# Altium PCB NxtPX4.PcbDoc (part 6 of 6)
Units mm, origin at the board's own origin, x right, y up, seen from the top; angles counter-clockwise.
Board outline 33 x 27 mm, 4 copper layers (F.Cu, In1.Cu, In2.Cu, B.Cu); 137 components, 132 nets, 629 pads, 296 vias.
Unrouted connection lines stored in the file: 3.
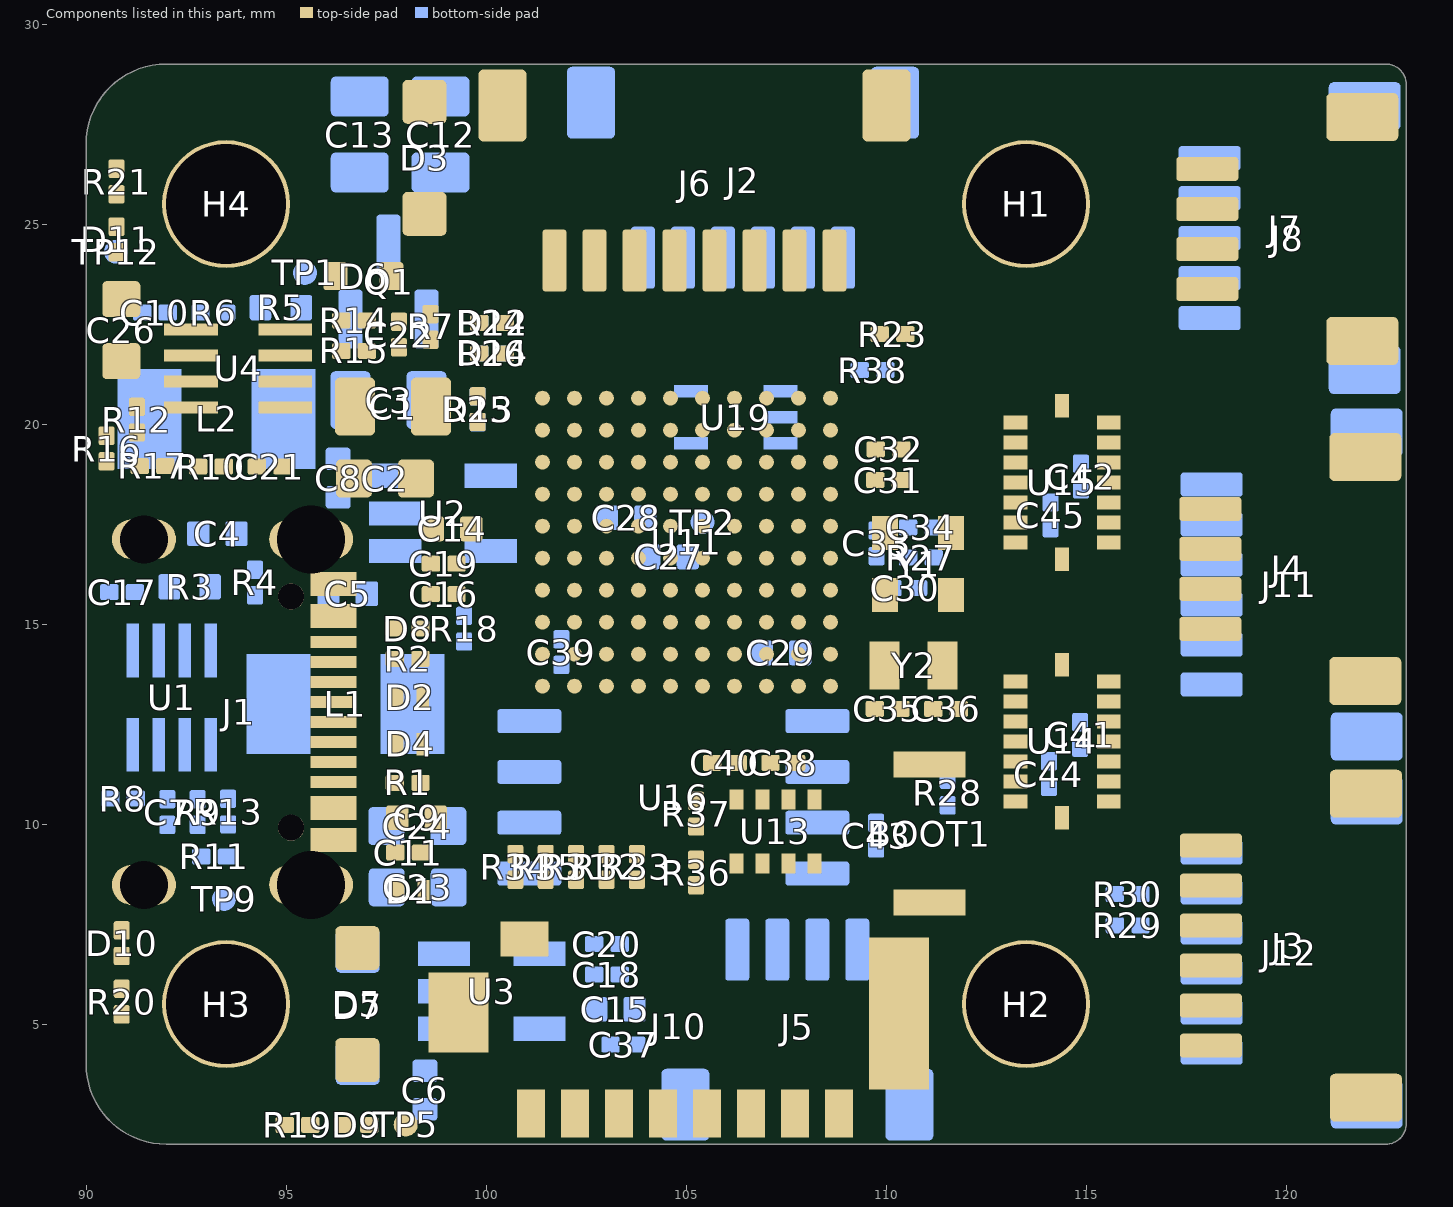
[diagram p8: the components of this part, seen from the top]

## Polygon pours and split planes (outlines as drawn) (continued)
EX_I2C4_SCL on B.Cu "B.Cu-/EX_I2C4_SCL-1" (solid, remove dead copper, pour order 30550): 101.569,20.572 101.548,20.599 101.54,20.622 101.538,20.646 101.536,20.673 101.525,20.708 101.409,20.661 101.362,20.545 101.397,20.534 101.424,20.532 101.448,20.53 101.471,20.522 101.498,20.501
TIM3_CH3 on B.Cu "B.Cu-/TIM3_CH3-1" (solid, remove dead copper, pour order 30512): 116.698,24.619 116.671,24.598 116.648,24.59 116.624,24.588 116.597,24.586 116.562,24.575 116.609,24.459 116.725,24.412 116.736,24.447 116.738,24.474 116.74,24.498 116.748,24.521 116.769,24.548
SDMMC1_D0 on B.Cu "B.Cu-/SDMMC1_D0" (solid, remove dead copper, pour order 30490): 100.06,15.395 100.064,15.429 100.075,15.452 100.091,15.469 100.108,15.49 100.126,15.522 100.01,15.571 99.895,15.522 99.912,15.49 99.93,15.469 99.945,15.452 99.956,15.429 99.96,15.395
USART3_RX on B.Cu "B.Cu-/USART3_RX-1" (solid, remove dead copper, pour order 30305): 106.97,23.275 107.011,23.324 107.052,23.364 107.094,23.397 107.135,23.422 107.176,23.439 106.92,24.171 106.664,23.439 106.705,23.422 106.746,23.397 106.788,23.364 106.829,23.324 106.87,23.275
EX_SPI3_MISO on B.Cu "B.Cu-/EX_SPI3_MISO-1" (solid, remove dead copper, pour order 30281): 117.245,5.25 117.278,5.225 117.311,5.191 117.343,5.15 117.376,5.101 117.409,5.044 118.141,5.3 117.409,5.556 117.376,5.499 117.343,5.45 117.311,5.409 117.278,5.375 117.245,5.35
UART5_RX on B.Cu "B.Cu-/UART5_RX" (solid, remove dead copper, pour order 30482): 103.06,20.485 103.064,20.519 103.075,20.542 103.091,20.559 103.108,20.58 103.125,20.612 103.01,20.661 102.895,20.612 102.912,20.58 102.929,20.559 102.945,20.542 102.956,20.519 102.96,20.485
USART3_TX on B.Cu "B.Cu-/USART3_TX" (solid, remove dead copper, pour order 30302): 105.97,23.275 106.011,23.324 106.052,23.364 106.094,23.397 106.135,23.422 106.176,23.439 105.92,24.171 105.664,23.439 105.705,23.422 105.746,23.397 105.788,23.364 105.829,23.324 105.87,23.275
TIM3_CH3 on B.Cu "B.Cu-/TIM3_CH3" (solid, remove dead copper, pour order 30287): 117.195,24.61 117.228,24.585 117.261,24.551 117.293,24.51 117.326,24.461 117.359,24.404 118.091,24.66 117.359,24.916 117.326,24.859 117.293,24.81 117.261,24.769 117.228,24.735 117.195,24.71
UART4_RX on B.Cu "B.Cu-/UART4_RX" (solid, remove dead copper, pour order 30308): 106.24,7.765 106.197,7.716 106.154,7.675 106.11,7.642 106.067,7.618 106.024,7.601 106.28,6.869 106.536,7.601 106.497,7.619 106.458,7.644 106.418,7.676 106.379,7.717 106.34,7.765
Periph_3V3 on B.Cu "B.Cu-Periph_3V3-3" (solid, remove dead copper, pour order 30275): 109.2,10.19 109.167,10.2 109.134,10.217 109.102,10.239 109.069,10.267 109.036,10.301 108.279,10.045 108.987,9.756 109.03,9.798 109.072,9.832 109.115,9.859 109.157,9.878 109.2,9.89
SCLK on B.Cu "B.Cu-/SCLK-3" (solid, remove dead copper, pour order 30296): 119.035,14.55 119.002,14.575 118.969,14.609 118.937,14.65 118.904,14.699 118.871,14.756 118.139,14.5 118.871,14.244 118.904,14.301 118.937,14.35 118.969,14.391 119.002,14.425 119.035,14.45
SBUS on B.Cu "B.Cu-/SBUS-2" (solid, remove dead copper, pour order 30484): 110.53,22.075 110.534,22.109 110.545,22.132 110.561,22.149 110.578,22.17 110.595,22.202 110.48,22.251 110.365,22.202 110.382,22.17 110.399,22.149 110.415,22.132 110.426,22.109 110.43,22.075
AUX3_PA4 on B.Cu "B.Cu-/AUX3_PA4" (solid, remove dead copper, pour order 30328): 118.09,9.72 118.04,9.679 117.99,9.647 117.94,9.623 117.89,9.607 117.84,9.6 118.14,9.299 118.44,9.6 118.39,9.607 118.34,9.623 118.29,9.647 118.24,9.679 118.19,9.72
SDMMC1_CMD on B.Cu "B.Cu-/SDMMC1_CMD" (solid, remove dead copper, pour order 30528): 104.112,12.833 104.139,12.854 104.162,12.862 104.186,12.864 104.213,12.866 104.248,12.877 104.201,12.993 104.085,13.04 104.074,13.005 104.072,12.978 104.07,12.955 104.062,12.931 104.041,12.904
System_5V on B.Cu "B.Cu-System_5V-4" (solid, remove dead copper, pour order 30352): 120.415,17.65 120.354,17.653 120.311,17.659 120.274,17.666 120.231,17.672 120.17,17.675 120.169,17.5 120.17,17.325 120.231,17.328 120.274,17.334 120.311,17.341 120.354,17.347 120.415,17.35
SDMMC1_D3 on B.Cu "B.Cu-/SDMMC1_D3-1" (solid, remove dead copper, pour order 30522): 105.632,5.321 105.659,5.342 105.682,5.35 105.706,5.352 105.733,5.354 105.768,5.365 105.721,5.481 105.605,5.528 105.594,5.493 105.592,5.466 105.59,5.442 105.582,5.419 105.561,5.392
TIM2_CH3 on B.Cu "B.Cu-/TIM2_CH3-1" (solid, remove dead copper, pour order 30290): 117.195,23.61 117.228,23.585 117.261,23.551 117.293,23.51 117.326,23.461 117.359,23.404 118.091,23.66 117.359,23.916 117.326,23.859 117.293,23.81 117.261,23.769 117.228,23.735 117.195,23.71
UART5_TX on B.Cu "B.Cu-/UART5_TX" (solid, remove dead copper, pour order 30536): 103.433,21.759 103.406,21.738 103.383,21.73 103.359,21.728 103.332,21.726 103.297,21.715 103.344,21.599 103.46,21.552 103.471,21.587 103.473,21.614 103.475,21.638 103.483,21.661 103.504,21.688
CAM_9V on B.Cu "B.Cu-CAM_9V-1" (solid, remove dead copper, pour order 30262): 90.25,22.06 92.45,22.06 92.44,18.79 90.25,18.78
SDMMC1_D2 on B.Cu "B.Cu-/SDMMC1_D2-1" (solid, remove dead copper, pour order 30532): 105.394,5.584 105.421,5.605 105.445,5.613 105.468,5.615 105.496,5.618 105.53,5.628 105.483,5.744 105.367,5.791 105.357,5.756 105.354,5.729 105.353,5.706 105.345,5.682 105.323,5.655
UART8_RX on B.Cu "B.Cu-/UART8_RX" (solid, remove dead copper, pour order 30317): 117.247,15.61 117.271,15.573 117.296,15.527 117.32,15.471 117.344,15.407 117.368,15.334 118.141,15.5 117.458,15.789 117.415,15.759 117.373,15.737 117.331,15.721 117.289,15.712 117.247,15.71
USART1_TX on B.Cu "B.Cu-/USART1_TX" (solid, remove dead copper, pour order 30464): 119.61,5.765 119.614,5.799 119.625,5.822 119.641,5.839 119.658,5.86 119.675,5.892 119.56,5.941 119.445,5.892 119.462,5.86 119.479,5.839 119.495,5.822 119.506,5.799 119.51,5.765
Net-(U1-VCC) on B.Cu "B.Cu-Net-(U1-VCC)-1" (solid, remove dead copper, pour order 30336): 94.145,15.342 94.178,15.38 94.211,15.414 94.244,15.446 94.277,15.474 94.31,15.5 94.221,15.731 94.02,15.789 94.002,15.736 93.985,15.686 93.967,15.639 93.95,15.595 93.932,15.554
BMI088_1_MISO on B.Cu "B.Cu-/BMI088_1_MISO-2" (solid, remove dead copper, pour order 30428): 112.58,13.745 112.576,13.711 112.565,13.688 112.549,13.671 112.532,13.65 112.515,13.618 112.63,13.569 112.745,13.618 112.728,13.65 112.711,13.671 112.695,13.688 112.684,13.711 112.68,13.745
SDMMC1_CK on B.Cu "B.Cu-/SDMMC1_CK" (solid, remove dead copper, pour order 30524): 106.048,4.209 106.021,4.188 105.997,4.18 105.974,4.178 105.947,4.176 105.912,4.166 105.959,4.049 106.075,4.002 106.086,4.037 106.088,4.064 106.09,4.088 106.098,4.111 106.119,4.139
Net-(U4-VCC) on B.Cu "B.Cu-Net-(U4-VCC)-1" (solid, remove dead copper, pour order 30380): 93.01,22.52 93.02,22.548 93.03,22.573 93.04,22.594 93.05,22.613 93.06,22.629 92.86,22.801 92.66,22.629 92.67,22.613 92.68,22.594 92.69,22.573 92.7,22.548 92.71,22.52
Net-(U1-SW) on B.Cu "B.Cu-Net-(U1-SW)-2" (solid, remove dead copper, pour order 30334): 91.565,15.677 91.542,15.708 91.519,15.742 91.496,15.779 91.473,15.82 91.45,15.863 91.219,15.811 91.137,15.61 91.18,15.587 91.224,15.561 91.267,15.532 91.31,15.5 91.353,15.465
Periph_3V3 on B.Cu "B.Cu-Periph_3V3-2" (solid, remove dead copper, pour order 30402): 104.03,2.835 104.027,2.791 104.021,2.761 104.014,2.734 104.008,2.704 104.005,2.66 104.13,2.659 104.255,2.66 104.252,2.704 104.246,2.734 104.239,2.761 104.233,2.791 104.23,2.835
BMI088_1_ADR on B.Cu "B.Cu-/BMI088_1_ADR" (solid, remove dead copper, pour order 30520): 107.098,15.219 107.071,15.198 107.048,15.19 107.024,15.188 106.997,15.186 106.962,15.175 107.009,15.059 107.125,15.012 107.136,15.047 107.138,15.074 107.14,15.098 107.148,15.121 107.169,15.148
EX_I2C4_SDA on B.Cu "B.Cu-/EX_I2C4_SDA" (solid, remove dead copper, pour order 30498): 114.536,8.153 114.557,8.126 114.565,8.103 114.567,8.079 114.569,8.052 114.58,8.017 114.696,8.064 114.743,8.18 114.708,8.191 114.681,8.193 114.657,8.195 114.634,8.203 114.607,8.224
Net-(R11-Pad2) on B.Cu "B.Cu-Net-(R11-Pad2)-3" (solid, remove dead copper, pour order 30390): 93.07,10.142 93.048,10.146 93.026,10.153 93.005,10.163 92.983,10.176 92.961,10.192 92.789,9.992 92.961,9.792 92.983,9.808 93.005,9.821 93.026,9.831 93.048,9.838 93.07,9.842
EX_I2C4_SCL on B.Cu "B.Cu-/EX_I2C4_SCL" (solid, remove dead copper, pour order 30514): 116.272,7.321 116.299,7.342 116.322,7.35 116.346,7.352 116.373,7.354 116.408,7.365 116.361,7.481 116.245,7.528 116.234,7.493 116.232,7.466 116.23,7.442 116.222,7.419 116.201,7.392
NRST on B.Cu "B.Cu-/NRST-2" (solid, remove dead copper, pour order 30394): 110.24,16.62 110.262,16.606 110.284,16.586 110.306,16.562 110.327,16.533 110.349,16.499 110.551,16.67 110.349,16.841 110.327,16.807 110.306,16.778 110.284,16.754 110.262,16.734 110.24,16.72
USART3_RX on B.Cu "B.Cu-/USART3_RX" (solid, remove dead copper, pour order 30506): 103.058,21.809 103.031,21.788 103.008,21.78 102.984,21.778 102.957,21.776 102.922,21.765 102.969,21.649 103.085,21.602 103.096,21.637 103.098,21.664 103.1,21.688 103.108,21.711 103.129,21.738
FRAM_SPI2_MOSI on B.Cu "B.Cu-/FRAM_SPI2_MOSI" (solid, remove dead copper, pour order 30416): 102.445,15.41 102.479,15.406 102.502,15.395 102.519,15.379 102.54,15.362 102.572,15.345 102.621,15.46 102.572,15.575 102.54,15.558 102.519,15.541 102.502,15.525 102.479,15.514 102.445,15.51
NRST on B.Cu "B.Cu-/NRST-1" (solid, remove dead copper, pour order 30474): 109.535,16.71 109.501,16.714 109.478,16.725 109.461,16.741 109.44,16.758 109.408,16.775 109.359,16.66 109.408,16.545 109.44,16.562 109.461,16.579 109.478,16.595 109.501,16.606 109.535,16.61
SDMMC1_D1 on B.Cu "B.Cu-/SDMMC1_D1-1" (solid, remove dead copper, pour order 30436): 100.31,14.3 100.306,14.266 100.295,14.244 100.279,14.226 100.262,14.205 100.245,14.173 100.36,14.125 100.475,14.173 100.458,14.205 100.441,14.226 100.425,14.244 100.414,14.266 100.41,14.3
SBUS_INV on B.Cu "B.Cu-/SBUS_INV-1" (solid, remove dead copper, pour order 30478): 103.185,19.11 103.151,19.114 103.128,19.125 103.111,19.141 103.09,19.158 103.058,19.175 103.009,19.06 103.058,18.945 103.09,18.962 103.111,18.979 103.128,18.995 103.151,19.006 103.185,19.01
UART8_TX on B.Cu "B.Cu-/UART8_TX" (solid, remove dead copper, pour order 30284): 117.245,16.45 117.278,16.425 117.311,16.391 117.343,16.35 117.376,16.301 117.409,16.244 118.141,16.5 117.409,16.756 117.376,16.699 117.343,16.65 117.311,16.609 117.278,16.575 117.245,16.55
SDMMC1_D2 on B.Cu "B.Cu-/SDMMC1_D2" (solid, remove dead copper, pour order 30518): 104.969,5.301 104.942,5.279 104.919,5.271 104.895,5.27 104.868,5.267 104.833,5.257 104.88,5.141 104.996,5.094 105.007,5.128 105.009,5.156 105.011,5.179 105.019,5.203 105.04,5.23
EX_SPI3_SCK on B.Cu "B.Cu-/EX_SPI3_SCK" (solid, remove dead copper, pour order 30546): 104.384,12.467 104.363,12.494 104.355,12.517 104.353,12.541 104.351,12.568 104.34,12.603 104.224,12.556 104.177,12.44 104.212,12.429 104.239,12.427 104.263,12.425 104.286,12.417 104.313,12.396
EX_SPI3_MOSI on B.Cu "B.Cu-/EX_SPI3_MOSI" (solid, remove dead copper, pour order 30320): 118.972,6.403 118.952,6.422 118.932,6.447 118.911,6.478 118.891,6.514 118.871,6.556 118.139,6.299 118.904,6.093 118.931,6.157 118.959,6.213 118.987,6.261 119.015,6.301 119.043,6.332
AUX2_PC1 on B.Cu "B.Cu-/AUX2_PC1" (solid, remove dead copper, pour order 30314): 118.981,8.381 118.959,8.404 118.937,8.433 118.915,8.468 118.893,8.509 118.871,8.556 118.139,8.299 118.871,8.044 118.907,8.117 118.943,8.18 118.979,8.233 119.015,8.277 119.051,8.311
SBUS on B.Cu "B.Cu-/SBUS-1" (solid, remove dead copper, pour order 30324): 109.34,24.03 109.316,24.075 109.292,24.131 109.268,24.198 109.244,24.275 109.22,24.363 108.919,24.17 109.217,23.707 109.241,23.767 109.266,23.819 109.291,23.864 109.315,23.901 109.34,23.93
Net-(U1-VCC) on B.Cu "B.Cu-Net-(U1-VCC)" (solid, remove dead copper, pour order 30330): 92.163,10.977 92.126,10.948 92.089,10.922 92.052,10.899 92.014,10.879 91.977,10.862 92.029,10.631 92.23,10.549 92.259,10.598 92.288,10.644 92.317,10.687 92.346,10.728 92.375,10.765
Net-(U1-PG) on B.Cu "B.Cu-Net-(U1-PG)" (solid, remove dead copper, pour order 30340): 94.069,16.092 94.103,16.108 94.136,16.12 94.169,16.13 94.202,16.136 94.236,16.14 94.221,16.371 94.02,16.477 93.987,16.436 93.955,16.399 93.922,16.364 93.89,16.333 93.857,16.304
BMI088_1_MOSI on B.Cu "B.Cu-/BMI088_1_MOSI-1" (solid, remove dead copper, pour order 30446): 107.185,16.71 107.151,16.714 107.128,16.725 107.111,16.741 107.09,16.758 107.058,16.775 107.009,16.66 107.058,16.545 107.09,16.562 107.111,16.579 107.128,16.595 107.151,16.606 107.185,16.61
BMI088_1_MISO on B.Cu "B.Cu-/BMI088_1_MISO-1" (solid, remove dead copper, pour order 30486): 112.68,13.395 112.684,13.429 112.695,13.452 112.711,13.469 112.728,13.49 112.745,13.522 112.63,13.571 112.515,13.522 112.532,13.49 112.549,13.469 112.565,13.452 112.576,13.429 112.58,13.395
Net-(U1-SW) on B.Cu "B.Cu-Net-(U1-SW)-1" (solid, remove dead copper, pour order 30358): 91.665,15.184 91.663,15.123 91.658,15.08 91.652,15.044 91.647,15.001 91.645,14.94 91.82,14.939 91.995,14.94 91.992,15.001 91.984,15.044 91.976,15.08 91.968,15.123 91.965,15.184
USART1_RX on B.Cu "B.Cu-/USART1_RX-1" (solid, remove dead copper, pour order 30534): 101.322,15.701 101.349,15.722 101.372,15.73 101.396,15.732 101.423,15.734 101.458,15.745 101.411,15.861 101.295,15.908 101.284,15.873 101.282,15.846 101.28,15.822 101.272,15.799 101.251,15.772
SBUS on B.Cu "B.Cu-/SBUS" (solid, remove dead copper, pour order 30368): 107.845,20.23 107.833,20.243 107.82,20.26 107.808,20.281 107.796,20.305 107.784,20.332 107.36,20.18 107.784,20.028 107.796,20.055 107.808,20.079 107.82,20.1 107.833,20.117 107.845,20.13
Core_3V3 on B.Cu "B.Cu-Core_3V3-1" (solid, remove dead copper, pour order 30410): 105.019,21.043 105.008,21.026 104.998,21.012 104.987,21 104.977,20.99 104.966,20.982 105.119,20.829 105.271,20.982 105.261,20.99 105.25,21 105.24,21.012 105.229,21.026 105.219,21.043
TIM2_CH4 on B.Cu "B.Cu-/TIM2_CH4-1" (solid, remove dead copper, pour order 30299): 117.195,22.62 117.228,22.593 117.261,22.558 117.293,22.515 117.326,22.463 117.359,22.404 118.091,22.66 117.359,22.916 117.326,22.862 117.293,22.815 117.261,22.775 117.228,22.744 117.195,22.72
Net-(U4-EN{slash}SYNC) on B.Cu "B.Cu-Net-(U4-EN{slash}SYNC)-1" (solid, remove dead copper, pour order 30344): 93.017,21.339 92.972,21.298 92.937,21.272 92.906,21.251 92.871,21.225 92.826,21.184 92.949,21.059 93.074,20.936 93.115,20.981 93.141,21.016 93.162,21.047 93.188,21.082 93.229,21.127
USART2_RX on B.Cu "B.Cu-/USART2_RX-1" (solid, remove dead copper, pour order 30466): 116.78,11.415 116.784,11.449 116.795,11.472 116.811,11.489 116.828,11.51 116.845,11.542 116.73,11.591 116.615,11.542 116.632,11.51 116.649,11.489 116.665,11.472 116.676,11.449 116.68,11.415
UART4_TX on B.Cu "B.Cu-/UART4_TX" (solid, remove dead copper, pour order 30562): 107.33,8.001 107.335,8.036 107.349,8.057 107.367,8.074 107.387,8.094 107.405,8.126 107.29,8.175 107.175,8.126 107.19,8.096 107.205,8.075 107.218,8.057 107.227,8.034 107.23,8.001
BMI088_0_GCS on B.Cu "B.Cu-/BMI088_0_GCS-1" (solid, remove dead copper, pour order 30488): 111.015,20.9 110.981,20.904 110.958,20.915 110.941,20.931 110.92,20.948 110.888,20.965 110.839,20.85 110.888,20.735 110.92,20.752 110.941,20.769 110.958,20.785 110.981,20.796 111.015,20.8
SWDIO on B.Cu "B.Cu-/SWDIO" (solid, remove dead copper, pour order 30418): 111.455,7.19 111.489,7.186 111.512,7.175 111.529,7.159 111.55,7.142 111.582,7.125 111.631,7.24 111.582,7.355 111.55,7.338 111.529,7.321 111.512,7.305 111.489,7.294 111.455,7.29
FRAM_SPI2_MISO on B.Cu "B.Cu-/FRAM_SPI2_MISO" (solid, remove dead copper, pour order 30476): 101.46,18.885 101.464,18.919 101.475,18.942 101.491,18.959 101.508,18.98 101.525,19.012 101.41,19.061 101.295,19.012 101.312,18.98 101.329,18.959 101.345,18.942 101.356,18.919 101.36,18.885
ADC1_INP4_BATT_V on B.Cu "B.Cu-/ADC1_INP4_BATT_V" (solid, remove dead copper, pour order 30438): 97.76,22.745 97.756,22.711 97.745,22.688 97.729,22.671 97.712,22.65 97.695,22.618 97.81,22.569 97.925,22.618 97.908,22.65 97.891,22.671 97.875,22.688 97.864,22.711 97.86,22.745
SCLK on B.Cu "B.Cu-/SCLK-2" (solid, remove dead copper, pour order 30426): 119.245,14.45 119.279,14.446 119.302,14.435 119.319,14.419 119.34,14.402 119.372,14.385 119.421,14.5 119.372,14.615 119.34,14.598 119.319,14.581 119.302,14.565 119.279,14.554 119.245,14.55
USART1_RX on B.Cu "B.Cu-/USART1_RX" (solid, remove dead copper, pour order 30454): 119.89,6.415 119.894,6.449 119.905,6.472 119.921,6.489 119.938,6.51 119.955,6.542 119.84,6.591 119.725,6.542 119.742,6.51 119.759,6.489 119.775,6.472 119.786,6.449 119.79,6.415
Net-(R11-Pad2) on B.Cu "B.Cu-Net-(R11-Pad2)-2" (solid, remove dead copper, pour order 30386): 93.27,9.842 93.293,9.839 93.317,9.832 93.34,9.823 93.364,9.811 93.387,9.796 93.551,10.002 93.375,10.196 93.354,10.179 93.333,10.165 93.312,10.154 93.291,10.146 93.27,10.142
Net-(U1-FB) on B.Cu "B.Cu-Net-(U1-FB)" (solid, remove dead copper, pour order 30332): 92.923,10.977 92.886,10.948 92.849,10.922 92.812,10.899 92.774,10.879 92.737,10.862 92.789,10.631 92.99,10.549 93.019,10.598 93.048,10.644 93.077,10.687 93.106,10.728 93.135,10.765
Net-(C17-Pad1) on B.Cu "B.Cu-Net-(C17-Pad1)" (solid, remove dead copper, pour order 30382): 90.45,10.93 90.44,10.902 90.43,10.877 90.42,10.856 90.41,10.837 90.4,10.821 90.6,10.649 90.8,10.821 90.79,10.837 90.78,10.856 90.77,10.877 90.76,10.902 90.75,10.93
BMI088_1_MISO on B.Cu "B.Cu-/BMI088_1_MISO" (solid, remove dead copper, pour order 30448): 107.195,15.92 107.161,15.924 107.138,15.935 107.121,15.951 107.1,15.968 107.068,15.985 107.019,15.87 107.068,15.755 107.1,15.772 107.121,15.789 107.138,15.805 107.161,15.816 107.195,15.82
System_5V on B.Cu "B.Cu-System_5V-3" (solid, remove dead copper, pour order 30350): 120.915,17.35 120.976,17.347 121.019,17.341 121.056,17.334 121.099,17.328 121.16,17.325 121.161,17.5 121.16,17.675 121.099,17.672 121.056,17.666 121.019,17.659 120.976,17.653 120.915,17.65
Net-(R11-Pad2) on B.Cu "B.Cu-Net-(R11-Pad2)-1" (solid, remove dead copper, pour order 30384): 92.73,9.48 92.72,9.452 92.71,9.427 92.7,9.406 92.69,9.387 92.68,9.371 92.88,9.199 93.08,9.371 93.07,9.387 93.06,9.406 93.05,9.427 93.04,9.452 93.03,9.48
Core_3V3 on B.Cu "B.Cu-Core_3V3" (solid, remove dead copper, pour order 30406): 106.755,21.75 106.799,21.747 106.829,21.741 106.856,21.734 106.886,21.728 106.93,21.725 106.931,21.85 106.93,21.975 106.886,21.972 106.856,21.966 106.829,21.959 106.799,21.953 106.755,21.95
SDMMC1_D1 on B.Cu "B.Cu-/SDMMC1_D1" (solid, remove dead copper, pour order 30564): 100.41,15.853 100.416,15.879 100.432,15.891 100.455,15.896 100.482,15.904 100.508,15.922 100.42,16.011 100.295,16.01 100.297,15.971 100.3,15.943 100.305,15.919 100.308,15.892 100.31,15.853
SDMMC1_D3 on B.Cu "B.Cu-/SDMMC1_D3" (solid, remove dead copper, pour order 30556): 105.183,5.014 105.156,4.993 105.132,4.985 105.109,4.984 105.081,4.981 105.047,4.971 105.094,4.855 105.21,4.808 105.22,4.842 105.223,4.87 105.225,4.893 105.233,4.916 105.254,4.943
Periph_3V3 on B.Cu "B.Cu-Periph_3V3-1" (solid, remove dead copper, pour order 30342): 103.411,4.326 103.397,4.358 103.383,4.396 103.369,4.441 103.354,4.491 103.34,4.547 103.109,4.501 103.024,4.3 103.073,4.289 103.122,4.272 103.171,4.249 103.221,4.219 103.27,4.184
Net-(U4-VCC) on B.Cu "B.Cu-Net-(U4-VCC)" (solid, remove dead copper, pour order 30362): 92.55,22.65 92.578,22.648 92.607,22.642 92.635,22.634 92.663,22.622 92.692,22.608 92.861,22.8 92.692,22.992 92.663,22.978 92.635,22.966 92.607,22.958 92.578,22.952 92.55,22.95
Net-(U1-SW) on B.Cu "B.Cu-Net-(U1-SW)" (solid, remove dead copper, pour order 30360): 91.965,14.696 91.968,14.757 91.976,14.8 91.984,14.836 91.992,14.879 91.995,14.94 91.82,14.941 91.645,14.94 91.647,14.879 91.652,14.836 91.658,14.8 91.663,14.757 91.665,14.696
BMI088_0_MISO on B.Cu "B.Cu-/BMI088_0_MISO-1" (solid, remove dead copper, pour order 30440): 112.41,18.385 112.406,18.351 112.395,18.328 112.379,18.311 112.362,18.29 112.345,18.258 112.46,18.209 112.575,18.258 112.558,18.29 112.541,18.311 112.525,18.328 112.514,18.351 112.51,18.385
SCLK on B.Cu "B.Cu-/SCLK-1" (solid, remove dead copper, pour order 30542): 102.525,11.782 102.503,11.809 102.495,11.832 102.494,11.856 102.491,11.883 102.481,11.918 102.365,11.871 102.318,11.755 102.352,11.744 102.38,11.742 102.403,11.74 102.427,11.732 102.454,11.711
TIM2_CH3 on B.Cu "B.Cu-/TIM2_CH3" (solid, remove dead copper, pour order 30504): 103.651,19.948 103.672,19.921 103.68,19.898 103.682,19.874 103.684,19.847 103.695,19.812 103.811,19.859 103.858,19.975 103.823,19.986 103.796,19.988 103.772,19.99 103.749,19.998 103.722,20.019
SCLK on B.Cu "B.Cu-/SCLK" (solid, remove dead copper, pour order 30412): 112.475,7.48 112.509,7.476 112.532,7.465 112.549,7.449 112.57,7.432 112.602,7.415 112.651,7.53 112.602,7.645 112.57,7.628 112.549,7.611 112.532,7.595 112.509,7.584 112.475,7.58
AUX1_PC0 on B.Cu "B.Cu-/AUX1_PC0" (solid, remove dead copper, pour order 30311): 118.989,7.36 118.966,7.386 118.942,7.418 118.918,7.457 118.895,7.503 118.871,7.556 118.139,7.299 118.871,7.044 118.909,7.112 118.947,7.17 118.984,7.219 119.022,7.259 119.06,7.289
Net-(R11-Pad2) on B.Cu "B.Cu-Net-(R11-Pad2)" (solid, remove dead copper, pour order 30338): 93.03,9.682 93.022,9.744 93.014,9.808 93.006,9.876 92.998,9.947 92.99,10.021 92.79,9.993 92.645,9.774 92.662,9.761 92.679,9.746 92.696,9.727 92.713,9.706 92.73,9.682
Periph_3V3 on B.Cu "B.Cu-Periph_3V3" (solid, remove dead copper, pour order 30408): 104.23,2.485 104.233,2.529 104.239,2.559 104.246,2.586 104.252,2.616 104.255,2.66 104.13,2.661 104.005,2.66 104.008,2.616 104.014,2.586 104.021,2.559 104.027,2.529 104.03,2.485
Net-(U1-BST) on B.Cu "B.Cu-Net-(U1-BST)" (solid, remove dead copper, pour order 30366): 91.015,10.93 91.014,10.888 91.013,10.849 91.012,10.813 91.011,10.78 91.01,10.75 91.24,10.649 91.395,10.845 91.379,10.856 91.363,10.87 91.347,10.887 91.331,10.907 91.315,10.93
BMI088_0_GCS on B.Cu "B.Cu-/BMI088_0_GCS" (solid, remove dead copper, pour order 30502): 115.781,21.488 115.802,21.461 115.81,21.438 115.812,21.414 115.814,21.387 115.825,21.352 115.941,21.399 115.988,21.515 115.953,21.526 115.926,21.528 115.902,21.53 115.879,21.538 115.852,21.559
System_5V on B.Cu "B.Cu-System_5V-2" (solid, remove dead copper, pour order 30264): 18 vertices, not listed, extent 93.35,6.13 99.53,14.3
EX_SPI3_MISO on B.Cu "B.Cu-/EX_SPI3_MISO" (solid, remove dead copper, pour order 30570): 104.687,12.446 104.678,12.462 104.683,12.475 104.696,12.487 104.712,12.502 104.725,12.522 104.609,12.571 104.522,12.482 104.546,12.456 104.562,12.437 104.576,12.42 104.592,12.401 104.616,12.375
Net-(U1-EN{slash}SYNC) on B.Cu "B.Cu-Net-(U1-EN{slash}SYNC)" (solid, remove dead copper, pour order 30354): 91.665,11.363 91.662,11.302 91.656,11.259 91.648,11.222 91.642,11.179 91.639,11.118 91.814,11.117 91.989,11.118 91.987,11.179 91.981,11.222 91.974,11.259 91.968,11.302 91.965,11.363
USART2_RX on B.Cu "B.Cu-/USART2_RX" (solid, remove dead copper, pour order 30548): 104.769,14.972 104.748,14.999 104.74,15.022 104.738,15.046 104.736,15.073 104.725,15.108 104.609,15.061 104.562,14.945 104.597,14.934 104.624,14.932 104.648,14.93 104.671,14.922 104.698,14.901
System_5V on B.Cu "B.Cu-System_5V-1" (solid, remove dead copper, pour order 30348): 119.925,17.35 119.986,17.347 120.029,17.341 120.066,17.334 120.109,17.328 120.17,17.325 120.171,17.5 120.17,17.675 120.109,17.672 120.066,17.666 120.029,17.659 119.986,17.653 119.925,17.65
BMI088_0_MISO on B.Cu "B.Cu-/BMI088_0_MISO" (solid, remove dead copper, pour order 30480): 112.51,19.865 112.514,19.899 112.525,19.922 112.541,19.939 112.558,19.96 112.575,19.992 112.46,20.041 112.345,19.992 112.362,19.96 112.379,19.939 112.395,19.922 112.406,19.899 112.41,19.865
VCC_24V on B.Cu "B.Cu-VCC_24V" (solid, remove dead copper, pour order 30322): 95.908,23.634 95.855,23.691 95.821,23.736 95.798,23.779 95.776,23.832 95.747,23.905 95.469,23.791 95.355,23.513 95.428,23.484 95.481,23.462 95.524,23.439 95.569,23.405 95.626,23.352
USART2_TX on B.Cu "B.Cu-/USART2_TX" (solid, remove dead copper, pour order 30470): 117.075,11.01 117.079,11.044 117.09,11.067 117.106,11.084 117.123,11.105 117.14,11.137 117.025,11.186 116.91,11.137 116.927,11.105 116.944,11.084 116.96,11.067 116.971,11.044 116.975,11.01
BMI088_0_ADR on B.Cu "B.Cu-/BMI088_0_ADR" (solid, remove dead copper, pour order 30508): 111.568,18.549 111.541,18.528 111.518,18.52 111.494,18.518 111.467,18.516 111.432,18.505 111.479,18.389 111.595,18.342 111.606,18.377 111.608,18.404 111.61,18.428 111.618,18.451 111.639,18.478
SBUS_INV on B.Cu "B.Cu-/SBUS_INV" (solid, remove dead copper, pour order 30392): 109.03,21.31 109.052,21.296 109.074,21.276 109.096,21.252 109.117,21.223 109.139,21.189 109.341,21.36 109.139,21.531 109.117,21.497 109.096,21.468 109.074,21.444 109.052,21.424 109.03,21.41
CAM_9V on B.Cu "B.Cu-CAM_9V" (solid, remove dead copper, pour order 30269): 103.676,25.065 103.667,25.016 103.658,24.971 103.649,24.928 103.64,24.889 103.631,24.852 103.92,24.169 104.22,24.795 104.211,24.843 104.202,24.894 104.194,24.948 104.185,25.005 104.176,25.065
Net-(U4-EN{slash}SYNC) on B.Cu "B.Cu-Net-(U4-EN{slash}SYNC)" (solid, remove dead copper, pour order 30326): 94.51,22.492 94.532,22.544 94.554,22.588 94.576,22.627 94.598,22.658 94.62,22.683 94.36,22.921 94.1,22.683 94.122,22.658 94.144,22.627 94.166,22.588 94.188,22.544 94.21,22.492
TIM2_CH4 on B.Cu "B.Cu-/TIM2_CH4" (solid, remove dead copper, pour order 30434): 103.76,20.835 103.756,20.801 103.745,20.778 103.729,20.761 103.712,20.74 103.695,20.708 103.81,20.659 103.925,20.708 103.908,20.74 103.891,20.761 103.875,20.778 103.864,20.801 103.86,20.835
TIM3_CH4 on B.Cu "B.Cu-/TIM3_CH4" (solid, remove dead copper, pour order 30293): 117.195,25.61 117.228,25.585 117.261,25.551 117.293,25.51 117.326,25.461 117.359,25.404 118.091,25.66 117.359,25.916 117.326,25.859 117.293,25.81 117.261,25.769 117.228,25.735 117.195,25.71
NRST on B.Cu "B.Cu-/NRST" (solid, remove dead copper, pour order 30396): 109.48,16.61 109.502,16.599 109.524,16.583 109.546,16.563 109.567,16.538 109.589,16.509 109.761,16.71 109.568,16.878 109.55,16.833 109.533,16.794 109.515,16.76 109.498,16.732 109.48,16.71
BMI088_1_MOSI on B.Cu "B.Cu-/BMI088_1_MOSI" (solid, remove dead copper, pour order 30494): 112.681,10.088 112.702,10.061 112.71,10.038 112.712,10.014 112.714,9.987 112.725,9.952 112.841,9.999 112.888,10.115 112.853,10.126 112.826,10.128 112.802,10.13 112.779,10.138 112.752,10.159
System_5V on B.Cu "B.Cu-System_5V" (solid, remove dead copper, pour order 30272): 119.035,17.65 118.992,17.662 118.95,17.683 118.907,17.71 118.865,17.746 118.822,17.789 118.139,17.5 118.822,17.211 118.865,17.254 118.907,17.29 118.95,17.317 118.992,17.338 119.035,17.35
Net-(U11B-BOOT0) on B.Cu "B.Cu-Net-(U11B-BOOT0)" (solid, remove dead copper, pour order 30462): 105.46,15.685 105.464,15.719 105.475,15.742 105.491,15.759 105.508,15.78 105.525,15.812 105.41,15.861 105.295,15.812 105.312,15.78 105.329,15.759 105.345,15.742 105.356,15.719 105.36,15.685
GND on B.Cu "B.Cu-GND" (solid, remove dead copper, pour order 30684): 123.99,30.79 124.14,0.31 89.26,0.14 89.108,30.537
Periph_3V3 on In2.Cu "In2.Cu-Periph_3V3-4" (solid, remove dead copper, pour order 30260): 103.36,7.27 103.36,5.11 103.36,4.26 100.68,4.27 100.68,5.22 102.18,5.22 102.18,7.27
Periph_3V3 on In2.Cu "In2.Cu-Periph_3V3-3" (solid, remove dead copper, pour order 30292): 100.627,11.066 100.662,11.097 100.691,11.113 100.719,11.123 100.752,11.132 100.797,11.148 100.731,11.311 100.568,11.377 100.552,11.332 100.543,11.299 100.533,11.271 100.517,11.242 100.486,11.207
Periph_3V3 on In2.Cu "In2.Cu-Periph_3V3-2" (solid, remove dead copper, pour order 30298): 100.531,12.624 100.577,12.622 100.609,12.613 100.635,12.6 100.666,12.583 100.709,12.563 100.777,12.724 100.709,12.886 100.666,12.866 100.635,12.849 100.609,12.836 100.577,12.827 100.531,12.824
System_4V5 on In2.Cu "In2.Cu-System_4V5" (solid, remove dead copper, pour order 30259): 96.81,5.47 96.81,17.23 98.55,17.23 98.56,3.68 96.26,3.68 96.26,5.46
Core_3V3 on In2.Cu "In2.Cu-Core_3V3-14" (solid, remove dead copper, pour order 30274): 102.899,16.183 102.853,16.236 102.827,16.28 102.808,16.32 102.782,16.363 102.736,16.416 102.594,16.276 102.454,16.134 102.507,16.088 102.55,16.062 102.59,16.043 102.634,16.017 102.687,15.971
Core_3V3 on In2.Cu "In2.Cu-Core_3V3-13" (solid, remove dead copper, pour order 30268): 111.89,16.59 111.82,16.595 111.771,16.608 111.729,16.622 111.68,16.635 111.61,16.64 111.609,16.44 111.61,16.24 111.68,16.245 111.729,16.258 111.771,16.272 111.82,16.285 111.89,16.29
Core_3V3 on In2.Cu "In2.Cu-Core_3V3-12" (solid, remove dead copper, pour order 30286): 111.33,16.57 111.384,16.565 111.42,16.552 111.45,16.533 111.484,16.51 111.533,16.485 111.611,16.67 111.533,16.855 111.484,16.83 111.45,16.807 111.42,16.788 111.384,16.775 111.33,16.77
Core_3V3 on In2.Cu "In2.Cu-Core_3V3-11" (solid, remove dead copper, pour order 30258): 100.48,17.8 100.48,17.14 100.98,17.14 100.98,16.34 99.68,16.34 99.68,15.55 99.02,15.55 99.02,17.8
Periph_3V3 on In2.Cu "In2.Cu-Periph_3V3-1" (solid, remove dead copper, pour order 30295): 99.098,11.245 99.095,11.199 99.087,11.167 99.074,11.14 99.057,11.11 99.036,11.067 99.198,10.999 99.36,11.067 99.339,11.11 99.322,11.14 99.309,11.167 99.301,11.199 99.298,11.245
Core_3V3 on In2.Cu "In2.Cu-Core_3V3-10" (solid, remove dead copper, pour order 30283): 111.064,14.298 111.018,14.351 110.992,14.395 110.973,14.435 110.947,14.478 110.901,14.531 110.759,14.391 110.619,14.249 110.672,14.203 110.715,14.177 110.755,14.158 110.799,14.132 110.852,14.086
Net-(U1-SW) on In2.Cu "In2.Cu-Net-(U1-SW)" (solid, remove dead copper, pour order 30261): 92.13,15.14 92.14,13.43 93.87,13.42 93.87,14.27 95.19,14.27 95.19,11.79 91.5,11.79 91.5,15.14
Core_3V3 on In2.Cu "In2.Cu-Core_3V3-9" (solid, remove dead copper, pour order 30313): 115.516,8.313 115.545,8.28 115.562,8.254 115.575,8.23 115.593,8.204 115.622,8.172 115.711,8.259 115.798,8.348 115.766,8.377 115.74,8.395 115.716,8.408 115.69,8.425 115.657,8.454
Core_3V3 on In2.Cu "In2.Cu-Core_3V3-8" (solid, remove dead copper, pour order 30271): 111.89,16.59 111.82,16.595 111.771,16.608 111.729,16.622 111.68,16.635 111.61,16.64 111.609,16.44 111.61,16.24 111.68,16.245 111.729,16.258 111.771,16.272 111.82,16.285 111.89,16.29
Periph_3V3 on In2.Cu "In2.Cu-Periph_3V3" (solid, remove dead copper, pour order 30301): 99.443,11.1 99.397,11.103 99.365,11.111 99.338,11.124 99.308,11.141 99.265,11.162 99.197,11 99.265,10.838 99.308,10.859 99.338,10.876 99.365,10.889 99.397,10.897 99.443,10.9
Core_3V3 on In2.Cu "In2.Cu-Core_3V3-7" (solid, remove dead copper, pour order 30280): 111.064,14.298 111.018,14.351 110.992,14.395 110.973,14.435 110.947,14.478 110.901,14.531 110.759,14.391 110.619,14.249 110.672,14.203 110.715,14.177 110.755,14.158 110.799,14.132 110.852,14.086
Core_3V3 on In2.Cu "In2.Cu-Core_3V3-6" (solid, remove dead copper, pour order 30277): 102.899,16.183 102.853,16.236 102.827,16.28 102.808,16.32 102.782,16.363 102.736,16.416 102.594,16.276 102.454,16.134 102.507,16.088 102.55,16.062 102.59,16.043 102.634,16.017 102.687,15.971
VCC_24V on In2.Cu "In2.Cu-VCC_24V" (solid, remove dead copper, pour order 30263): 19 vertices, not listed, extent 92.24,13.59 97.73,24.17
Core_3V3 on In2.Cu "In2.Cu-Core_3V3-5" (solid, remove dead copper, pour order 30289): 111.33,16.57 111.384,16.565 111.42,16.552 111.45,16.533 111.484,16.51 111.533,16.485 111.611,16.67 111.533,16.855 111.484,16.83 111.45,16.807 111.42,16.788 111.384,16.775 111.33,16.77
Core_3V3 on In2.Cu "In2.Cu-Core_3V3-4" (solid, remove dead copper, pour order 30319): 115.61,7.663 115.608,7.62 115.605,7.59 115.6,7.563 115.597,7.533 115.595,7.49 115.72,7.489 115.835,7.538 115.823,7.567 115.816,7.589 115.812,7.608 115.81,7.631 115.81,7.663
Core_3V3 on In2.Cu "In2.Cu-Core_3V3-3" (solid, remove dead copper, pour order 30310): 111.365,16.77 111.321,16.773 111.291,16.779 111.264,16.786 111.234,16.792 111.19,16.795 111.189,16.67 111.19,16.545 111.234,16.548 111.264,16.554 111.291,16.561 111.321,16.567 111.365,16.57
Core_3V3 on In2.Cu "In2.Cu-Core_3V3-2" (solid, remove dead copper, pour order 30316): 111.173,17.664 111.14,17.635 111.114,17.618 111.09,17.605 111.064,17.587 111.032,17.558 111.119,17.469 111.208,17.382 111.237,17.414 111.255,17.44 111.268,17.464 111.285,17.49 111.314,17.523
System_5V on In2.Cu "In2.Cu-System_5V" (solid, remove dead copper, pour order 30685): 123.91,1.5 89.25,1.54 89.24,29.59 123.91,29.57
VCC_BAT on In2.Cu "In2.Cu-VCC_BAT" (solid, remove dead copper, pour order 30265): 95.84,24.45 95.84,27.05 103.03,27.04 103.04,23.37 97.22,23.36 97.22,24.45
Core_3V3 on In2.Cu "In2.Cu-Core_3V3-1" (solid, remove dead copper, pour order 30304): 107.91,14.085 107.913,14.129 107.919,14.159 107.926,14.186 107.932,14.216 107.935,14.26 107.81,14.261 107.685,14.26 107.688,14.216 107.694,14.186 107.701,14.159 107.707,14.129 107.71,14.085
CAM_9V on In2.Cu "In2.Cu-CAM_9V" (solid, remove dead copper, pour order 30257): 91.66,20.73 91.64,25.5 93.56,27.37 104.854,27.38 104.854,29.32 92.34,29.3 90.63,28.92 89.93,27.56 89.93,25.73 89.92,20.73
Core_3V3 on In2.Cu "In2.Cu-Core_3V3" (solid, remove dead copper, pour order 30307): 115.81,8.085 115.813,8.129 115.819,8.159 115.826,8.186 115.832,8.216 115.835,8.26 115.71,8.261 115.585,8.26 115.588,8.216 115.594,8.186 115.601,8.159 115.607,8.129 115.61,8.085

## Keep-outs
In2.Cu:
  region: 117.02,28.91 116.99,8.41 114.59,8.41 111.21,8.42 98.78,8.42 98.8,15.27 101.28,15.27 101.28,17.98 97.96,17.98 97.96,23 103.13,23 103.13,26.89 105.34,26.89 105.34,28.94
  region: 95.45,22.08 93.77,22.08 93.77,19.73 92.1,19.73 92.08,15.45 91.31,15.45 91.31,11.53 92.25,11.53 92.25,10.68 90.03,10.68 90.06,20.18 91.865,20.18 91.9,23.33 95.45,23.35
  region: 96.7,7.86 94.47,7.86 94.47,9.51 94.63,9.99 94.63,11.64 95.18,11.64 95.18,16.4 96.7,16.4
  region: 100.04,5.17 98.62,5.17 98.62,6.41 100.04,6.41
Edge.Cuts:
  lines w0: 90,4.01 ccw(c92,4.01) 92,2.01 122.5,2.01 ccw(c122.5,2.51) 123,2.51 123,28.51 ccw(c122.5,28.51) 122.5,29.01 92,29.01 ccw(c92,27.01) 90,27.01 90,4.01
  lines w0.254: 90,4.01 ccw(c92,4.01) 92,2.01 122.5,2.01 ccw(c122.5,2.51) 123,2.51 123,28.51 ccw(c122.5,28.51) 122.5,29.01 92,29.01 ccw(c92,27.01) 90,27.01 90,4.01

## Silkscreen, mask and mechanical layers (free items; w line width, h text height)
F.SilkS:
  text "Sel_RC / Uart5" at 115.35,26.698 h0.5
  text "RCin" at 115.255,25.873 h0.5
  text "Tx" at 116.16,24.87 h0.5
  text "5V" at 116.041,23.858 h0.5
  text "G" at 116.446,22.847 h0.5
  text "G" at 101.42,22.145 h0.5
  text "V" at 102.53,22.15 h0.5
  text "Rx" at 107.33,22.12 h0.5
  text "4" at 103.512,22.11 h0.5
  text "3" at 104.534,22.107 h0.5
  text "2" at 105.517,22.109 h0.5
  text "1" at 106.5,22.109 h0.5
  text "C" at 108.51,22.095 h0.5
  text "Sel_TEL3 Uart7" at 103.65,21.263 h0.5
  text "Sel_TEL1 / Uart2" at 116.71,19.327 h0.5
  text "Rx" at 116.17,17.46 h0.5
  text "Tx" at 116.289,16.451 h0.5
  text "5V" at 116.17,15.44 h0.5
  text "G" at 116.575,14.428 h0.5
  text "Boot" at 110.28,11.678 h0.5
  text "Sel_GPS1 / Uart1" at 116.71,10.937 h0.5
  text "SDA" at 115.65,8.595 h0.5
  text "SCL" at 115.674,7.775 h0.5
  text "Rx" at 116.15,7.018 h0.5
  text "Tx" at 116.269,6.009 h0.5
  text "5V" at 116.15,4.997 h0.5
  text "G" at 116.555,3.986 h0.5
  text "Peri" at 93.98,2.698 h0.5
B.SilkS:
  text "GND" at 95.725,28.94 h0.5 r90
  text "PWM" at 117.94,27.15 h0.5
  text "O3 Uart3 / Sel_GPS2" at 102.145,26.74 h0.5 r90
  text "GND" at 117.09,25.854 h0.5
  text "24V" at 95.25,25.129 h0.5
  text "12V" at 90.541,24.93 h0.5 r90
  text "CH5" at 117.09,24.874 h0.5
  text "CH6" at 117.09,23.895 h0.5
  text "12V" at 104.307,23.3 h0.5 r90
  text "GND" at 105.327,23.3 h0.5 r90
  text "Tx" at 106.338,23.3 h0.5 r90
  text "Rx" at 107.354,23.3 h0.5 r90
  text "GND" at 108.375,23.3 h0.5 r90
  text "RCin" at 109.391,23.3 h0.5 r90
  text "CH7" at 117.09,22.915 h0.5
  text "CH8" at 117.09,21.935 h0.5
  text "Debug / Uart8" at 118.02,18.788 h0.5
  text "GND" at 117.17,18.015 h0.5
  text "5V" at 117.17,17.023 h0.5
  text "Tx" at 117.17,16.032 h0.5
  text "Rx" at 117.17,15.038 h0.5
  text "SCLK" at 117.17,14.039 h0.5
  text "SWDIO" at 117.17,13.045 h0.5
  text "AUX" at 117.84,9.867 h0.5
  text "PA4" at 117.18,9 h0.5
  text "PC1" at 115.11,7.945 h0.5
  text "5V" at 92.373,7.08 h0.5 r90
  text "PC0" at 115.11,6.965 h0.5
  text "MOSI" at 117.19,5.975 h0.5
  text "MISO" at 117.19,4.99 h0.5
  text "SCK" at 117.19,4.005 h0.5
  text "TEL2 Uart4" at 115.49,2.827 h0.5
  text "Rx" at 112.255,1.97 h0.5
  text "Tx" at 113.269,1.97 h0.5
  text "5V" at 114.401,1.967 h0.5
  text "GND" at 116.152,1.965 h0.5
Dwgs.User:
  circle w0.254: c93.5,5.51 r2.2
  circle w0.254: c93.5,25.51 r2.2
  circle w0.254: c113.5,5.51 r2.204
  circle w0.254: c113.5,25.51 r2.2

## Text inside footprints (layer, text, board x,y; h text height)
U9: B.SilkS "!HIGH Volt!" at 114.885,21.515 h0.5
U10: B.SilkS "!!Caution!!" at 113.83,12.675 h0.5
U14: Cmts.User "z" at 113.152,15.841 h1 r270; Cmts.User "Y" at 114.08,18.216 h1 r270; Cmts.User "X" at 116.12,15.933 h1 r270
U15: Cmts.User "Y" at 114.08,24.686 h1 r270; Cmts.User "z" at 113.152,22.311 h1 r270; Cmts.User "X" at 116.112,22.399 h1 r270
U19: B.SilkS "*" at 108.67,20.806 h1; B.Fab "*" at 106.828,21.177 h1; B.Fab "*" at 106.828,21.177 h1